# Allegro board 1103400-C000PC024-HI3521DV200-CORE-A01-pcb166.brd (continued)
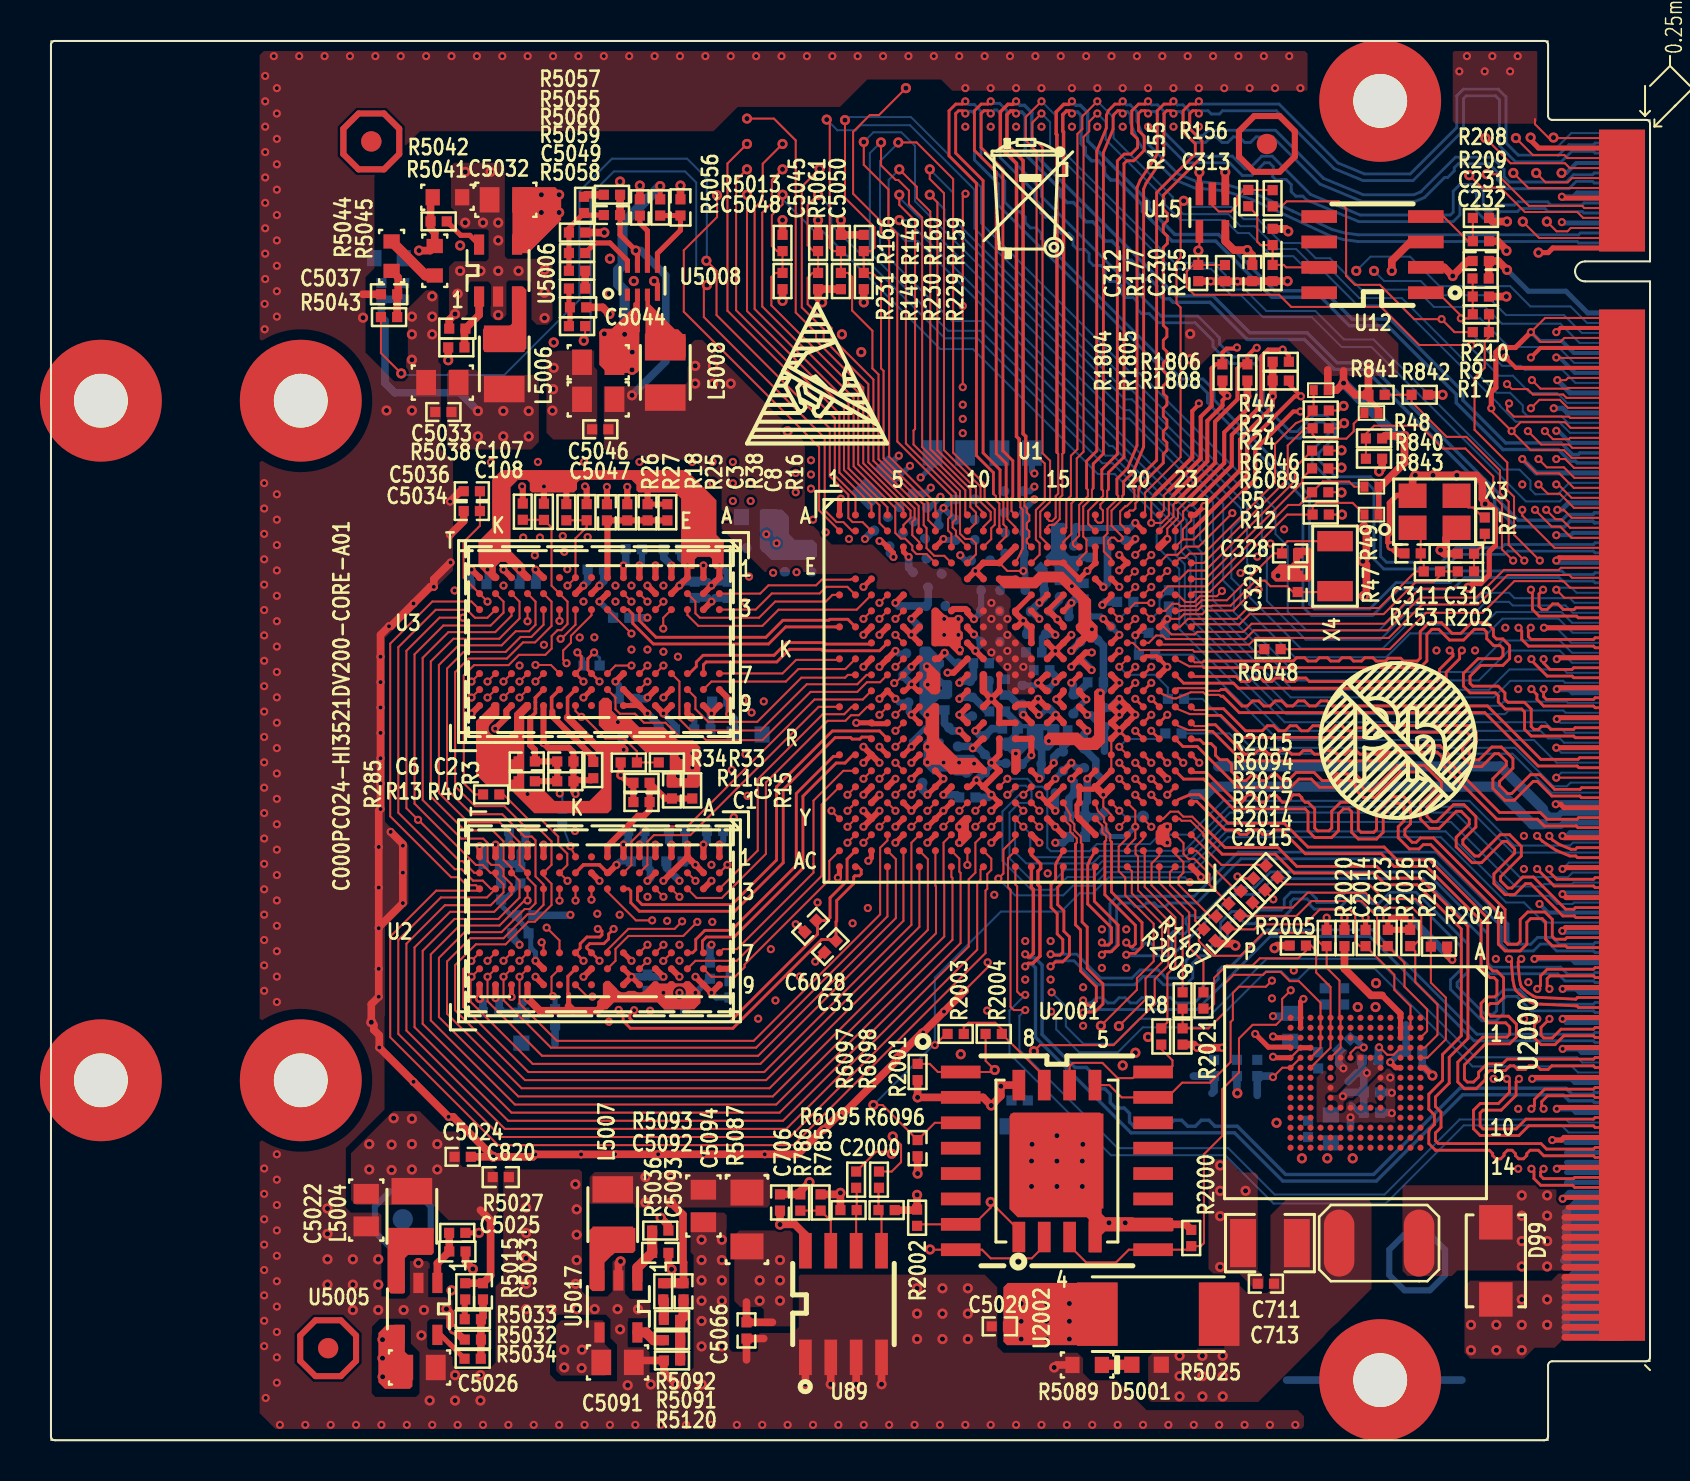
[diagram p0: board, top side]
## Nets (continued)
I2S0_BCLK: R6046.1(A) U1.E22(I2S0_BCLK/GPIO4_0)
I2S0_BCLK_R: R6046.2(B) U102.62
I2S0_MCLK: R6089.1(A) U1.E23(I2S0_MCLK/GPIO4_2)
I2S0_MCLK_R: R6089.2(B) U102.64
I2S0_SD_RX: U1.E21(I2S0_SD_RX/GPIO4_4) U102.70
I2S0_SD_TX: U1.F20(I2S0_SD_TX/GPIO4_3) U102.68
I2S0_WS: U1.D21(I2S0_WS/GPIO4_1) U102.72
I2S1_BCLK: R6048.1(A) U1.J19(I2S1_BCLK/GPIO5_1)
I2S1_BCLK_R: R6048.2(B) U102.80
I2S1_SD_RX: U1.J20(I2S1_SD_RX/GPIO5_3) U102.76
I2S1_WS: U1.J21(I2S1_WS/GPIO5_2) U102.78
IR_IN/SPI1_SCK: U1.AA12(IR_IN/GPIO12_3/SPI1_SCK) U102.147
JTAG_TCK/SPI1_MOSI: U1.V13(JTAG_TCK/GPIO12_5) U102.143
JTAG_TDI/UART2_RXD: U1.Y12(JTAG_TDI/GPIO13_0) U102.133
JTAG_TDO_R/UART2_TXD: U1.V11(JTAG_TDO/GPIO12_7) U102.131
JTAG_TMS/SPI1_MISO: U1.W12(JTAG_TMS/GPIO12_6) U102.137
JTAG_TRSTN/SPI1_CSN: U1.V12(JTAG_TRSTN/GPIO12_4) U102.139
LAN_LED_ACT: U1.B10(LAN_LED_ACT/GPIO2_6) U102.87
LAN_LED_LINK: U1.A10(LAN_LED_LINK/GPIO2_5) U102.89
MDI_AN: U1.C11(MDI_AN) U102.79
MDI_AP: U1.B11(MDI_AP) U102.77
MDI_BN: U1.A12(MDI_BN) U102.73
MDI_BP: U1.B12(MDI_BP) U102.71
MIPI_RX0_CKN/VI0_DATA5: U1.L23(MIPI_RX0_CKN/VI0_DATA5) U102.84
MIPI_RX0_CKP/VI0_DATA6: U1.L22(MIPI_RX0_CKP/VI0_DATA6) U102.86
MIPI_RX0_D0N/VI0_DATA1: U1.M19(MIPI_RX0_D0N/VI0_DATA1) U102.90
MIPI_RX0_D0P/VI0_DATA2: U1.M20(MIPI_RX0_D0P/VI0_DATA2) U102.92
MIPI_RX0_D1N/VI0_CLK: U1.L19(MIPI_RX0_D1N/VI0_CLK) U102.96
MIPI_RX0_D1P/VI0_DATA0: U1.L20(MIPI_RX0_D1P/VI0_DATA0) U102.98
MIPI_RX0_D2N/VI0_DATA7: U1.N20(MIPI_RX0_D2N/VI0_DATA7) U102.102
MIPI_RX0_D2P/VI0_CLK: U1.N21(MIPI_RX0_D2P/VI0_CLK) U102.104
MIPI_RX0_D3N/VI0_DATA3: U1.K23(MIPI_RX0_D3N/VI0_DATA3) U102.108
MIPI_RX0_D3P/VI0_DATA4: U1.K22(MIPI_RX0_D3P/VI0_DATA4) U102.110
MIPI_RX1_CKN/VI1_DATA6: U1.N23(MIPI_RX1_CKN/VI1_DATA6) U102.120
MIPI_RX1_CKP/VI1_DATA5: U1.N22(MIPI_RX1_CKP/VI1_DATA5) U102.122
MIPI_RX1_D0N/VI1_DATA2: U1.P23(MIPI_RX1_D0N/VI1_DATA2) U102.126
MIPI_RX1_D0P/VI1_DATA1: U1.P22(MIPI_RX1_D0P/VI1_DATA1) U102.128
MIPI_RX1_D1N/VI1_DATA0: U1.P20(MIPI_RX1_D1N/VI1_DATA0) U102.132
MIPI_RX1_D1P/VI1_CLK: U1.P21(MIPI_RX1_D1P/VI1_CLK) U102.134
MIPI_RX1_D2N/VI1_CLK: U1.R21(MIPI_RX1_D2N/VI1_CLK) U102.138
MIPI_RX1_D2P/VI1_DATA7: U1.R20(MIPI_RX1_D2P/VI1_DATA7) U102.140
MIPI_RX1_D3N/VI1_DATA4: U1.M21(MIPI_RX1_D3N/VI1_DATA4) U102.116
MIPI_RX1_D3P/VI1_DATA3: U1.M22(MIPI_RX1_D3P/VI1_DATA3) U102.114
MIPI_RX2_CKN/VI2_DATA5: U1.T23(MIPI_RX2_CKN/VI2_DATA5) U102.156
MIPI_RX2_CKP/VI2_DATA6: U1.T22(MIPI_RX2_CKP/VI2_DATA6) U102.158
MIPI_RX2_D0N/VI2_DATA1: U1.U19(MIPI_RX2_D0N/VI2_DATA1) U102.162
MIPI_RX2_D0P/VI2_DATA2: U1.U20(MIPI_RX2_D0P/VI2_DATA2) U102.164
MIPI_RX2_D1N/VI2_CLK: U1.T21(MIPI_RX2_D1N/VI2_CLK) U102.168
MIPI_RX2_D1P/VI2_DATA0: U1.T20(MIPI_RX2_D1P/VI2_DATA0) U102.170
MIPI_RX3_CKN/VI3_DATA4: U1.W22(MIPI_RX3_CKN/VI3_DATA4) U102.174
MIPI_RX3_CKP/VI3_DATA3: U1.W23(MIPI_RX3_CKP/VI3_DATA3) U102.176
MIPI_RX3_D0N/VI3_DATA6: U1.W20(MIPI_RX3_D0N/VI3_DATA6) U102.180
MIPI_RX3_D0P/VI3_DATA5: U1.W21(MIPI_RX3_D0P/VI3_DATA5) U102.182
MIPI_RX3_D1N/VI3_DATA2: U1.V21(MIPI_RX3_D1N/VI3_DATA2) U102.186
MIPI_RX3_D1P/VI3_DATA1: U1.V22(MIPI_RX3_D1P/VI3_DATA1) U102.188
POR_ENABLE: R841.2(B) R842.1(A) U1.G19(POR_ENABLE)
RTC_XIN: C329.1(A) U1.G22(RTC_XIN) X4.1
RTC_XOUT: C328.1(A) U1.G21(RTC_XOUT) X4.2
SATA_LED_N0: R6097.2 U1.Y13(SATA_LED_N0/GPIO11_7) U102.175
SATA_LED_N1: R6098.2 U1.W13(SATA_LED_N1/GPIO12_0) U102.177
SATA_RXM0: U1.AC17(SATA_RXM0) U102.153
SATA_RXM1: U1.AC15(SATA_RXM1) U102.165
SATA_RXP0: U1.AB17(SATA_RXP0) U102.151
SATA_RXP1: U1.AB15(SATA_RXP1) U102.163
SATA_TXM0: U1.Y17(SATA_TXM0) U102.157
SATA_TXM1: U1.Y15(SATA_TXM1) U102.169
SATA_TXP0: U1.W17(SATA_TXP0) U102.159
SATA_TXP1: U1.W15(SATA_TXP1) U102.171
SFC_CLK: R8.1(A) U1.AB20(SFC_CLK/GPIO11_5)
SFC_CLK_R: R8.2(B) U2001.16(C) U2002.6(SCK)
SFC_CS0N: R2002.2(B) U1.AC19(SFC_CS0N/EMMC_DS) U2001.7(S\) U2002.1(CS)
SFC_CS1N/GPIO11_6: TP1.1 U1.W18(SFC_CS1N/GPIO11_6)
SFC_HOLD_IO3: R2001.2(B) R2004.2(B) U1.AA20(SFC_HOLD_IO3/EMMC_DATA5) U2001.1(HOLD/\D\Q\3\)
SFC_MISO_IO1: U1.AA19(SFC_MISO_IO1/EMMC_DATA6) U2001.8(DQ1) U2002.2(SO)
SFC_MOSI_IO0: U1.Y20(SFC_MOSI_IO0/EMMC_DATA7) U2001.15(DQ0) U2002.5(SI)
SFC_WP_IO2: R2000.1(A) R6094.2(B) U2001.9(W/\V\P\P\/\D\Q\2\) U2002.3(W\P\)
SVB_PWM_CORE: R5058.1(A) U1.B2(SVB_PWM_CORE/GPIO1_5)
SVB_PWM_CPU: R5043.1(A) U1.B3(SVB_PWM_CPU/GPIO1_6)
SYS_RSTN: C312.1(A) C2000.1(A) C6008.1(A) R177.1(A) R2003.2(B) U1.G20(RSTN) U15.4(Y) U102.43 U2001.3(DNU1)
SYS_RSTN_OUT: R17.2(B) R156.1(A) U102.39
SYS_RSTN_OUT/WDG_RSTN: R9.1(A) R17.1(A) U1.F19(SYS_RSTN_OUT/WDG_RSTN)
TEST_MODE: R840.2(B) R843.1(A) U1.H19(TEST_MODE)
UART0_RXD: U1.A9(UART0_RXD/GPIO1_7) U102.105
UART0_TXD: U1.C10(UART0_TXD/GPIO2_0) U102.103
UART1_CTSN: U1.B9(UART1_CTSN/GPIO2_4) U102.99
UART1_RTSN: U1.C9(UART1_RTSN/GPIO2_3) U102.97
UART1_RXD: U1.D9(UART1_RXD/GPIO2_1) U102.95
UART1_TXD: U1.C8(UART1_TXD/GPIO2_2) U102.93
USB2_0_DM: U1.C13(USB2_0_DM) U102.67
USB2_0_DP: U1.D12(USB2_0_DP) U102.65
USB2_0_OVRCUR: U1.C14(USB2_0_OVRCUR/GPIO3_0) U102.61
USB2_0_PWREN: U1.D13(USB2_0_PWREN/GPIO2_7) U102.59
USB2_1_DM: U1.AB13(USB2_1_DM) U102.183
USB2_1_DP: U1.AC13(USB2_1_DP) U102.181
USB2_1_OVRCUR: U1.AB12(USB2_1_OVRCUR/GPIO12_2) U102.187
USB2_1_PWREN: U1.AC12(USB2_1_PWREN/GPIO12_1) U102.189
USB2_2_DM: U1.B14(USB2_2_DM) U102.55
USB2_2_DP: U1.A14(USB2_2_DP) U102.53
USB2_2_OVRCUR: U1.B15(USB2_2_OVRCUR/GPIO3_2) U102.47
USB2_2_PWREN: U1.C15(USB2_2_PWREN/GPIO3_1) U102.49
VDAC_REXT: R834.1(A) U1.G18(VDAC_REXT)
VGA_B: R1806.1(A) U1.B22(VGA_B) U102.36
VGA_G: R1805.1(A) U1.B21(VGA_G) U102.32
VGA_HS: U1.E20(VGA_HS/GPIO3_6) U102.42
VGA_R: R1804.1(A) U1.A21(VGA_R) U102.28
VGA_VS: U1.E19(VGA_VS/GPIO3_7) U102.40
VI2_CLK: U1.U22(VI2_CLK) U102.152
VI2_DATA3: U1.R23(VI2_DATA3) U102.144
VI2_DATA4: U1.R22(VI2_DATA4) U102.146
VI2_DATA7: U1.U23(VI2_DATA7) U102.150
VI3_CLK: U1.V20(VI3_CLK) U102.198
VI3_DATA0: U1.V19(VI3_DATA0) U102.200
VI3_DATA7: U1.Y21(VI3_DATA7) U102.192
VI_AD_REFCLK0/MIPIRX_CMOS_MODE_: R6049.1(A) U102.119
VI_AD_REFCLK1/MIPIRX_CMOS_MODE_: R6050.2(B) U102.121
WDG_RSTN_RST: C232.1(A) R9.2(B) R210.2(B) U12.1(M\R\) U102.35
XIN: C311.1(A) R153.1(A) U1.H22(XIN) X3.1
XOUT: R153.2(B) R202.1(A) U1.H23(XOUT)
$4N7983: R3.2(B) U3.L8(ZQ)
$4N7984: R4.2(B) U2.L8(ZQ)
$17N809: R2019.1(A) U2000.H5(RCLK/DS)
$22N821: R2003.1(A) R2004.1(A) U2002.7(H\O\L\D\)
$32N1479: D5001.2(B) R5089.1(A)
$37N240: R24.2(B) R48.2(B) U1.D23(I2C0_SDA/GPIO4_5)
$37N244: R5.2(B) R49.2(B) U1.F21(I2C1_SDA/GPIO4_7)
$37N699: R23.2(B) R44.2(B) U1.D22(I2C0_SCL/GPIO4_6)
$37N701: R12.2(B) R47.2(B) U1.F23(I2C1_SCL/GPIO5_0)
N04474: R6050.1(A) U1.T19(VI_AD_REFCLK1/TEST_CLK)
N04522: R6049.2(B) U1.K19(VI_AD_REFCLK0/GPIO5_4)
N15763: R155.2(B) R156.2(B) U15.2(A)
N15773: R208.1(A) R209.2(B) U12.4(PFI)
N15781: C313.1(A) R155.1(A) R255.1(A) U12.7(R\E\S\E\T\)
N17800: R7.1(A) X3.3
N17808: C310.1(A) R7.2(B) R202.2(B)
N17822: R1407.1(A) U1.AC21(EMMC_CLK/GPIO10_7)
N17826: C885.1(A) R6090.2(B) R6091.2(B) U1.U17(DVDD3318_EMMC)
N17840: R6094.1(A) U1.Y19(SFC_WP_IO2/EMMC_DATA4)
N27087: C5045.1(A) U5008.6(SS)
N27133: L5008.1(A) U5008.3(SW)
N27137: C5049.1(A) R5058.2(B) R5059.1(A)
N27145: R5059.2(B) R5060.1(A)
N27149: C5048.2(B) R5055.2(B) R5056.2(B) R5057.1(A) R5060.2(B)
N27165: C5037.1(A) R5043.2(B) R5044.1(A)
N27173: R5055.1(A) U5008.8(FB)
N27181: C5050.1(A) R5061.2(B) U5008.5(EN)
N27189: R5041.1(A) U5006.5(FB)
N27197: R5013.2(B) R5056.1(A)
N27201: R5014.2(B) R5039.1(A)
N27205: C5033.1(A) R5038.2(B) U5006.1(EN)
N27213: R5044.2(B) R5045.1(A)
N27217: L5006.1(A) U5006.3(SW)
N27221: C5035.2(B) R5039.2(B) R5041.2(B) R5042.1(A) R5045.2(B)
N28749: R5015.2(B) R5033.1(A)
N28833: C5023.2(B) R5032.1(A) R5033.2(B) R5034.2(B)
N28845: L5004.1(A) U5005.3(SW)
N28849: C5025.1(A) R5027.2(B) U5005.1(EN)
N28857: R5034.1(A) U5005.5(FB)
N753510: R5091.1(A) U5017.5(FB)
N753524: C5092.1(A) R5093.2(B) U5017.1(EN)
N753538: L5007.1(A) U5017.3(SW)
N753544: C5093.2(B) R5091.2(B) R5092.2(B) R5120.1(A)
N753566: R5036.2(B) R5092.1(A)
N9508935: R785.2 R786.1 U89.7(WP)

Pads without a net: NOREF#4 1; NOREF#9 1; NOREF#15 1; NOREF#17 1; NOREF#18 1; NOREF#19 1; U2 J1 J9 L1 L9; U3 J1 J9 L1 L9; U12 5 6 8; U2000 A1 A2 A7 A8 A9 A10 A11 A12 A13 A14 B3 B4 B5 B6 B7 B8 B9 B10 B11 B12 B13 B14 C5 C7 C8 C9 C10 C11 C12 C13 C14 D1 D2 D3 D4 D12 D13 D14 E1 E2 E3 E5 E8 E9 E10 E12 E13 E14 F1 F2 F3 F10 F12 F13 F14 G1 G2 G3 G10 G12 G13 G14 H1 H2 H3 H12 H13 H14 J12 J13 J14 K6 K7 K10 K12 K13 K14 L12 L13 L14 M1 M2 M3 M7 M8 M9 M10 M11 M12 M13 M14 N3 N6 N7 N8 N9 N10 N11 N12 N13 N14 P1 P2 P7 P8 P9 P10 P11 P12 P13 P14; U2001 4 5 6 11 12 13 14; U5008 1

## Via types
v1: diameter 0.406, hole 0.203, TOP to BOTTOM, 900 vias
v2: diameter 0.508, hole 0.254, TOP to BOTTOM, 330 vias
v3: diameter 0.457, hole 0.203, TOP to BOTTOM, 5 vias

## Routing (per net, layer and track width the routed paths; a pad name or vN(x,y) marks a point on that pad's centre or on a via; arc(x,y) is an arc through that point)
1V8: length 7.3
  TOP w0.381: v2(31.01,11.9) 31.62,11.29 31.62,8.93 31.65,8.9 C5093.1
  TOP w0.508: R5036.1 C5093.1
  BOTTOM w0.381: 58.08,17.36 58.19,17.47 R6093.1 57.15,18.22
  vias: v2(29.74,13.17) v2(29.74,11.9) v2(31.01,13.17) v2(53.62,18.75) v2(54.25,19.39) v2(54.89,20.18)
1V8_SOC: length 34.3
  TOP w0.381: 36.09,5.9 C5066.1 34.8,6.92
  ART03 w0.508: v2(36.47,9.02) 41.62,9.02 46.2,13.6 46.2,14.84 51.05,19.69 51.05,25.84 49.17,27.72 49.17,28.58 50.25,29.66 v1(50.25,29.89)
  BOTTOM w0.381: R6091.1 50.64,29.89 v1(50.25,29.89)
  vias: v2(35.46,8) v2(35.46,6.98) v2(36.47,8) v2(36.47,6.98)
3V3: length 38
  TOP w0.254: R5061.1 v2(30.48,62.75) ; R5027.1 v2(21.41,10.38)
  TOP w0.381: U12.2 69.7,58.68 v2(70.13,58.25) 70.88,59 C231.1 ; R209.1 72.38,59.99 72.82,59.55 v2(72.82,59.51) ; R5038.1 v2(19.87,54.03) ; C230.1 60.1,59.29 v2(59.85,59.55) 59.18,59.55 58.75,59.97 U15.5 ; R210.1 v2(72.81,57.22) ; v2(43.33,12.28) R2002.1 43.31,11.52 R6096.1 ; R785.1 39.42,12.3 v2(39.5,12.38) R6095.1 ; v2(30.5,11.13) 30.89,10.75 R5093.1 ; U89.8 37.74,10.27 37.21,10.8 36.49,10.8 v2(36.47,10.79) C706.2 ; R2001.1 v2(43.36,17.15) U2001.2 46.63,17.15 v2(47.04,16.75) 47.52,17.23 v2(47.52,17.71) 47.58,17.77 U2002.8
  BOTTOM w0.254: 65.05,16.8 65.46,16.39 C2006.1
  BOTTOM w0.381: v1(64.63,17.21) 64.83,17.41 C2007.1 ; C2007.1 65.68,18.23 v1(65.83,18.38) ; C2007.1 C2006.1 ; v1(65.83,18.38) 65.33,18.38 64.9,17.94 ; v1(65.83,18.38) 65.59,18.61 C2004.1
  BOTTOM w0.508: v2(28.7,55.33) 28.7,57.51 28.37,57.84 28.37,58.56 28.6,58.78 28.6,60.87 v2(30.48,62.75)
  vias: v2(16.59,5.04) v2(16.59,4.11) v2(16.6,3.18) v2(24.54,62.32) v2(24.54,61.43) v2(25.42,62.32) v2(25.42,61.43) v2(25.68,4.53) v2(25.68,3.64) v2(26.57,4.53) v2(26.55,3.61) v2(27.69,55.36) v2(29.08,54.44) v2(29.07,53.55) v2(56.46,4.23) v2(56.46,3.21) v2(56.46,2.19) v2(57.61,4.23) v2(57.61,3.21) v2(57.61,2.19) v2(58.62,4.23) v2(58.62,3.21) v2(58.62,2.19)
3V3_SOC: length 33.4
  TOP w0.254: v1(49.45,33.1) 49.05,33.49 U1.U13 ; U1.J16 51.45,39.89 v1(51.05,39.49) ; R47.1 R49.1 ; R48.1 66.37,51.44 66.37,51.65 65.91,52.1 R841.1 ; v1(51.05,33.09) 51.45,33.49 U1.U16 ; v1(52.51,37.37) 52.58,37.44
  TOP w0.381: U1.J16 52.08,40.53 v1(52.08,40.57) ; R840.1 66.73,50.25 v2(67.72,50.25) 67.72,48.9 66.52,47.71 R49.1 ; v2(64.67,52.89) 64.31,52.54 R44.1 63.88,53.55 ; v2(64.67,52.89) 64.67,53.5 ; v2(64.67,52.89) 65.25,52.31 R841.1 65.91,53.65 ; R229.1 v2(40.66,56.93) ; v2(36.6,57.01) R231.1 ; R230.1 R148.1 38.38,57.13 v2(38.58,56.93)
  BOTTOM w0.305: LB804.1 50.08,35.14 v1(49.92,34.98)
  BOTTOM w0.356: LB814.1 48.39,35.83 47.75,36.47 LB820.1
  BOTTOM w0.381: v1(52.08,40.57) 52.08,40.36 52.37,40.07 C825.1 52.66,39.75 LB816.1 52.66,37.52 v1(52.51,37.37) ; C823.1 51.55,44.17 LB802.1 ; 49.56,34.62 49.56,33.85 C807.1 49.54,33.18 v1(49.45,33.1) ; v1(51.08,42.73) 51.22,42.87 LB824.1 ; R6090.1 50.93,32.1 C801.1 51.19,32.95 v1(51.05,33.09) ; C803.1 51.51,39.95 v1(51.05,39.49)
  BOTTOM w0.508: v2(67.72,50.25) 67.31,50.25 v2(64.67,52.89)
  vias: v1(48.27,34.36) v2(48.54,6.84) v2(48.54,5.95) v2(48.54,5.06) v2(49.81,6.84) v2(49.81,5.95) v2(49.81,5.06) v2(50.95,6.84) v2(50.95,5.95) v2(50.95,5.06) v2(57,55.36) v2(57,54.09)
AVDD09_HDMITX: length 2.1
  TOP w0.254: v1(50.25,40.29) 49.85,40.69 U1.H14
  BOTTOM w0.305: LB809.2 49.57,40.15 C814.1
  BOTTOM w0.381: C814.1 50.2,40.34 v1(50.25,40.29)
AVDD09_PLL: length 1.8
  TOP w0.305: U1.L15 50.6,38.29 v1(50.25,37.95)
  BOTTOM w0.305: C882.1 v1(50.25,37.95)
  BOTTOM w0.356: LB815.2 50.25,38.24 v1(50.25,37.95)
AVDD09_PLL_EPHY: length 2.1
  TOP w0.254: U1.L9 v1(45.45,37.89)
  BOTTOM w0.381: LB807.2 46.15,38.15 C800.1 45.54,37.99 v1(45.45,37.89)
AVDD09_SATA0: length 2.2
  TOP w0.305: U1.P13 v1(48.65,36.29)
  BOTTOM w0.381: v1(48.65,36.29) 48.6,36.34 C808.1 48.37,36.83 47.91,37.29 LB823.2
AVDD33_DDRPLL: length 2.2
  TOP w0.305: U1.P10 v1(46.25,35.49)
  BOTTOM w0.381: LB814.2 47.08,35.61 C881.1 46.49,35.25 v1(46.25,35.49)
AVDD33_HDMITX: length 2
  TOP w0.254: U1.G15 v1(51.05,41.89)
  BOTTOM w0.381: C811.1 50.94,41.78 v1(51.05,41.89) 51.24,42.08 LB824.2
AVDD33_MDI_USB2_2: length 4.2
  TOP w0.254: U1.G13 49.05,41.49 v1(49.45,41.09) ; U1.F14 49.85,42.29 v1(49.45,41.89)
  BOTTOM w0.381: v1(49.45,41.09) 49.07,41.47 C6016.1 49.43,41.89 v1(49.45,41.89) 49.69,42.13 C806.1 49.69,43.45 R802.1
AVDD33_PLL: length 2.2
  TOP w0.254: v1(51.05,37.89) 51.45,38.29 U1.L16
  BOTTOM w0.381: LB816.2 51.87,37.88 51.28,37.29 C883.1 51.15,37.79 v1(51.05,37.89)
AVDD33_PLL_EPHY: length 2.4
  TOP w0.254: U1.M9 v1(45.45,37.09)
  BOTTOM w0.381: LB820.2 46.85,36.47 46.14,37.18 C887.1 45.53,37.18 v1(45.45,37.09)
AVDD33_SATA0: length 2.6
  TOP w0.254: U1.U14 49.85,33.52 50.17,33.84 v1(50.17,33.89)
  BOTTOM w0.381: v1(50.17,33.89) 50.17,34.18 50.42,34.44 C809.1 50.63,34.69 50.87,34.93 LB804.2
AVDD33_VDAC: length 3.8
  TOP w0.254: U1.E17 v1(52.66,42.69)
  BOTTOM w0.381: LB802.2 52.08,45.02 C804.1 52.86,44.95 52.86,42.89 v1(52.66,42.69)
AVDD_BAT: length 2.3
  TOP w0.254: v1(54.25,40.28) 54.65,40.67 U1.H20
  BOTTOM w0.102: R2.1 54.25,39.48 v1(54.25,40.28) 54.37,40.39 C23.1
AVDDIO3318_MIPIRX0: length 24.2
  TOP w0.305: U1.N16 v1(51.85,36.29)
  BOTTOM w0.305: 74.65,31.58 74.98,31.25 75.41,31.25 75.56,31.4 U102.125
  BOTTOM w0.381: v1(51.85,36.29) 52.03,36.29 52.62,35.71 C884.1 52.7,34.48
  BOTTOM w0.508: 74.65,31.58 72.52,33.71 58.39,33.71
AVDDIO3318_MIPIRX1: length 25.9
  TOP w0.305: U1.P16 v1(51.85,35.49)
  BOTTOM w0.305: U102.127 75.7,30.9 75.54,30.74 74.73,30.74 74.65,30.82
  BOTTOM w0.381: 52.55,33.11 52.27,33.38 52.27,34.01 C802.1 51.69,35.33 v1(51.85,35.49)
  BOTTOM w0.508: 74.65,30.82 74.12,30.82 72.24,32.7 58.17,32.7 57.78,32.32 57.15,32.32
DVDD_CORE: length 12.7
  TOP w0.254: C5048.1 28.47,60.31 v2(29.26,59.52) 29.34,59.44 U5008.7
  TOP w0.381: C5048.1 R5013.1
  BOTTOM w0.381: v2(29.26,59.52) 29.51,59.52 30.76,58.28 30.76,53.97 v2(29.07,52.28)
  vias: v1(45.62,51.81) v1(45.62,51.1) v1(45.62,50.39) v1(47.05,41.89) v1(47.05,41.09) v1(47.05,39.42) v1(47.85,41.09) v1(47.85,40.29) v1(47.85,39.49) v1(47.85,38.69) v1(48.65,38.69) v2(32.23,53.76) v2(32.23,52.87) v2(33.12,53.76) v2(33.12,52.87) v2(34.01,52.87)
DVDD_CPU: length 10.6
  BOTTOM w0.381: v2(21.36,51.49) 20.45,52.41 17.2,52.41 16.71,52.89 16.71,56.02 16.53,56.19 R5014.1 C5035.1
  vias: v1(38.02,49.03) v1(38.02,48.32) v1(38.02,47.61) v1(44.69,41.09) v1(44.69,40.29) v1(45.4,41.09) v1(45.4,40.29) v1(45.47,39.54) v2(21.36,50.22) v2(22.63,51.49) v2(22.63,50.22) v2(23.9,51.49) v2(23.9,50.22)
GND: length 966.5
  TOP w0.102: U1.AB19 53.85,29.7 54.25,30.1 v1(54.25,30.69) 54.25,31.49 U1.W19 ; 55.24,47.31 55.05,47.12 v1(55.05,45.89) 55.55,45.89 55.93,46.27 55.93,47.06 56.16,47.29 ; U102.38 75.9,53.15 75.79,53.04 v1(75.36,53.04) ; v1(75.31,54.17) 75.33,54.15 U102.34 ; v1(45.62,52.69) v1(45.62,56.75) 45.62,62.23 v1(45.75,62.37) ; v1(75.31,42.55) 75.71,42.15 U102.82 ; U1.Y18 53.05,31.29 52.65,31.69 v1(52.65,32.29) ; U102.66 76.08,46.15 75.68,46.55 v1(75.36,46.55) ; v2(70.92,42.66) 69.95,42.66 69.9,42.6 68.48,42.6 66.73,40.85 60.07,40.85 59.66,40.45 57.35,40.45 57.23,40.32 56.06,40.32 55.68,40.69 U1.H21 ; 56.62,45.07 56.62,45.58 57.05,46.01 U1.A23 ; 56.62,45.07 U1.C22 ; 56.62,45.07 57.17,45.07 59.59,47.48 59.66,47.48 ; v1(73.08,50.49) 72.06,51.5 v1(72.06,51.63) ; v1(73.08,50.49) 74.03,49.54 75.69,49.54 76.08,49.15 U102.54 ; v1(73.08,50.49) 73.52,50.94 75.74,50.94 76.03,50.65 U102.48 ; v1(60.41,42.57) 60.21,42.57 59.16,41.51 57.78,41.51 57.6,41.33 56.69,41.33 56.45,41.09 v1(55.85,41.09) ; U1.R18 U1.T18 U1.U18 ; U2000.C4 67.17,19.29 66.85,19.29 66.48,19.66 v1(66.45,19.66) ; U2.E8 30.24,23.59 ; U1.D11 47.85,43.49 v1(48.65,43.49) ; v1(73.61,49.09) 74.33,48.37 75.46,48.37 76.18,47.65 U102.60 ; v1(45.72,22.51) 46.86,23.66 v1(46.86,23.91) ; 56.89,47.08 56.38,46.58 56.38,46.15 55.85,45.62 v1(55.85,45.09) ; U102.30 75.71,55.15 75.51,54.95 74.53,54.95 v1(74.04,55.44) 74.75,56.15 U102.26 ; U1.F22 56.39,42.29 56.75,41.94 57.2,41.94 57.49,42.23 58.32,42.23 v1(58.58,42.49) ; U102.118 v1(75.31,33.15) ; v1(61.14,18.17) 61.61,18.64 U2000.P6 U2000.N5 ; U102.44 75.89,51.65 75.49,52.05 74.46,52.05 v1(74.04,51.63)
  TOP w0.142: U1.R19 v1(53.45,35.49)
  TOP w0.203: v1(62.51,51.47) 62.15,51.47 60.25,49.56 60.25,48.07 59.66,47.48 ; 55.24,47.31 57.1,49.17 57.1,51.49 57.43,51.83 v1(57.43,51.88) ; v1(59.85,52.23) 59.85,51.58 58.7,50.43 58.7,48.89 56.89,47.08 ; v1(57.7,46.75) 59.49,48.53 59.49,50.07 61.12,51.71 v1(61.12,52.23) ; v1(58.85,52.26) 58.61,52.02 58.61,51.76 57.85,51 57.85,48.98 56.16,47.29 ; U1.K20 54.78,39.23 55.32,39.23 U1.K21 v1(55.85,38.69)
  TOP w0.254: U102.154 74.29,24.15 v1(74.22,24.08) ; U1.C19 v1(54.25,45.09) ; v1(26.64,37.16) 27.04,37.56 U3.J8 ; v2(74.42,59.42) 74.9,59.42 75.13,59.65 U102.24 ; U1.A1 39.45,47.04 v1(39.52,47.11) ; U1.K18 v1(53.45,39.49) ; U1.W6 v1(43.05,31.49) U1.W5 ; U1.T4 41.45,34.69 v1(41.45,34.69) ; U1.V14 50.25,33.09 v1(50.25,33.09) ; U2.P9 v1(23.04,22.18) ; U15.3 v2(57.45,63.44) ; v1(29.84,27.99) 30.24,28.39 U2.E2 ; U1.W14 50.25,31.49 v1(50.25,31.49) ; U1.W14 v1(49.45,32.29) ; U1.W14 U1.V15 ; v1(75.29,31.82) 75.53,31.82 75.7,31.65 U102.124 ; U102.106 75.4,36.15 v1(75.34,36.08) ; U3.F9 U3.G9 ; v1(42.25,37.09) U1.M4 v1(41.45,37.09) ; U102.136 75.69,28.65 v1(75.62,28.58) ; U102.148 75.78,25.65 v1(75.62,25.49) ; U1.F13 49.05,42.29 U1.G12 ; v1(51.05,33.89) U1.U15 ; U1.AA7 v1(43.85,29.89) ; v1(75.59,62.21) 75.65,62.15 U102.14 ; v1(75.34,16.58) 75.4,16.65 U102.184 ; U1.E3 v1(40.65,42.69) ; v1(75.34,39.08) 75.4,39.15 U102.94 ; U1.U6 v1(43.05,33.09) ; 78.6,12.15 75.7,12.15 v1(75.63,12.08) ; U1.F15 U1.G14 ; U1.J18 v1(53.45,40.29) ; U102.4 74.42,64.65 74.03,65.05 v2(74.03,65.18) ; v2(69.11,18.25) 68.72,18.64 U2000.A6 ; U1.A23 57.25,46.29 v1(57.7,46.75) ; U1.AA11 v1(47.05,29.89) ; v1(43.05,34.69) U1.T5 ; v1(42.91,44.19) 42.65,44.45 U1.C5 ; U1.AB3 41.05,29.15 v1(40.89,28.99) ; U1.P4 41.8,35.85 41.09,35.85 U1.P3 v1(40.29,35.89) ; v1(37.26,25.82) 37.33,25.82 C6028.2 ; v1(75.11,15.02) 75.57,15.02 75.7,15.15 U102.190 ; v2(67.06,44.74) 66.88,44.91 66.88,45.27 66.95,45.35 66.95,46.9 67.33,47.28 68.1,47.28 X3.4 ; v1(60.25,20.33) 60.91,19.67 61.99,19.67 U2000.P4 ; v1(43.85,32.29) U1.V7 v1(44.65,33.09) 44.25,33.49 U1.U7 ; U1.M5 42.72,37.49 v1(43.05,37.82) 43.37,37.49 U1.M6 ; v1(75.62,27.32) 75.63,27.32 75.81,27.15 U102.142 ; v1(52.6,41.79) 53.05,42.24 U1.F18 ; U102.88 v1(74.69,40.65) ; v1(75.63,21.08) 75.7,21.15 U102.166 ; U102.160 75.7,22.65 v1(75.63,22.58) ; v1(40.65,33.89) U1.T3 ; U102.178 74.17,18.15 v1(74.11,18.08) ; v1(52.65,41.09) U1.H18 ; v1(42.15,44.19) 42.15,44.39 U1.C4 41.55,44.99 v1(41.45,44.99) ; U1.W8 v1(44.65,31.49) U1.Y7 v1(43.85,30.69) ; U1.L11 U1.M11 ; U102.130 75.71,30.15 v1(75.62,30.24) ; U1.C17 U1.D17 52.25,43.89 v1(51.85,43.49) U1.E16 50.65,43.89 U1.D15 U1.D14 ; U1.AA5 v1(42.25,29.89) ; U1.B20 v1(54.25,45.89) ; U2.F9 v1(29.04,23.19) 28.64,23.59 U2.G8 ; U102.196 75.4,13.65 v1(75.34,13.58) ; v1(74.04,55.44) 73.27,54.67 72.52,54.67 72.29,54.44 72.29,52.66 72.06,52.43 v1(72.06,51.63) ; v1(62.66,22.08) 62.52,21.94 U2000.N1 U2000.N2 ; v2(30.17,58) 30.34,57.83 U5008.4 ; U102.74 75.45,44.15 v1(75.31,44.01) ; v1(47.05,31.49) U1.W11 v1(47.05,32.29) U1.V10 46.64,32.69 v1(46.3,33.03) 45.97,32.69 U1.V9 ; U1.N6 v1(43.05,36.29) U1.P6 ; U102.100 75.4,37.65 v1(75.34,37.58) ; v2(70.92,42.66) 71.12,42.86 71.53,42.86 71.96,43.29 71.96,44.46 72.26,44.76 72.26,46.54 72.01,46.8 71.81,46.8 v2(71.75,46.85) ; v1(75.63,19.58) 75.7,19.65 U102.172 ; v1(39.37,28.15) 39.45,28.23 U1.AC1 ; U1.U18 U1.V17 52.13,32.57 51.57,32.57 U1.V16 U1.W16 51.33,31.78 51.33,31.21 U1.Y16 ; U1.H21 v1(55.85,41.09) ; U1.T6 v1(43.05,33.89) ; v1(53.45,44.29) U1.D19 53.82,43.89 v1(53.44,43.52) ; v1(30.64,37.16) 31.04,37.56 U3.D8 ; U102.112 v1(75.31,34.65) ; U1.Y5 v1(42.25,30.69) ; U1.E18 v1(53.45,42.69) ; C33.2 v1(38.24,23.95) ; U1.C7 v1(44.65,45.09)
  TOP w0.305: U1.H12 48.33,40.69 v1(48.64,41) ; U1.K15 v1(50.25,39.49) ; v1(50.25,39.49) U1.K14 ; v1(50.25,39.49) U1.J14 ; v1(50.25,39.49) 50.65,39.89 U1.J15 v1(51.05,40.29) ; U3.E1 30.24,43.77 v1(30.24,43.77) ; v1(30.24,29.8) 30.24,29.8 U2.E1 ; U3.M9 v1(24.64,34.88) 24.88,34.65 25.91,34.65 26.14,34.41 C2.2 26.14,33.02 ; v1(24.24,43.56) 24.64,43.16 U3.M1 ; U3.G8 28.64,37.56 29.04,37.16 29.04,37.16 U3.F9 29.44,36.76 v1(29.84,36.36) ; v1(46.12,34.62) 46.59,35.09 U1.R10 ; v1(48.64,41) 48.95,40.69 U1.H13 U1.J13 ; v1(48.64,41) 48.25,41.4 U1.G12 ; U1.N9 v1(45.45,36.29) U1.P9 ; R34.2 v3(28.5,33.28) 28.88,32.9 R11.2 C1.2 ; v1(27.44,42.76) 27.04,42.36 U3.J2 ; U1.Y3 v1(41.45,31.49) ; U1.Y3 v1(40.65,30.69) ; U1.Y3 40.65,31.49 v1(40.65,31.49) ; U1.L18 53.05,38.29 v1(53.45,37.89) U1.M18 ; U2.D8 31.04,23.59 v1(31.44,23.19) ; U1.E10 v1(46.25,43.49) ; v1(46.25,43.49) U1.D10 U1.D11 U1.C12 ; v1(46.25,43.49) U1.E9 ; v1(47.05,37.09) U1.N11 U1.P11 U1.P12 ; v1(47.05,37.09) U1.M11 ; v1(47.05,37.09) U1.N10 ; v1(47.05,37.09) 46.65,37.49 U1.M10 ; v3(21.44,22.1) 21.44,22.18 U2.T9 ; U3.A9 v1(33.04,36.36) 32.64,36.76 U3.B9 ; v1(52.07,39.41) 51.77,39.41 U1.K16 ; U1.R11 47.45,34.29 v1(47.05,33.89) U1.U11 U1.V10 ; v1(28.64,43.77) 28.64,43.77 U3.G1 ; U1.F5 v1(42.25,41.89) ; U2.M9 v1(24.24,23.19) ; 30.24,23.59 v1(30.64,23.19) ; U1.AC23 57.53,28.21 v1(57.53,28.18) ; U1.N13 48.93,36.81 48.37,36.81 U1.N12 ; U1.N13 49.05,36.67 v1(49.42,36.29) ; U1.N13 49.05,36.76 v1(49.38,37.09) 49.78,36.69 U1.N14 ; 26.14,33.02 R40.2 26.14,32.44 v1(26.24,32.34) ; 26.14,33.02 27.03,33.02 R3.1 ; U1.AA13 v1(49.45,29.89) ; U2.D1 31.04,29.8 v1(31.04,29.8) ; v1(49.05,34.27) 49.05,34.28 U1.R13 U1.R12 ; U1.K10 v1(46.25,39.49) U1.J9 ; v1(53.45,36.29) 53.45,36.29 U1.P18 53.05,35.89 v1(53.45,35.49) ; v1(53.45,36.29) U1.N19 ; v1(53.45,36.29) U1.N18 v1(53.45,37.09) U1.N19 ; U1.L21 v1(55.85,38.69) ; U1.H9 45.85,40.65 v1(46.18,40.32) ; U1.AA17 U1.Y16 ; v1(32.24,23.19) U2.B9 32.64,22.79 v1(33.04,22.39) U2.A9 ; R25.2 26.8,47.64 v1(26.72,47.72) ; U3.T1 21.44,43.16 v1(21.04,43.56) ; U1.Y14 v1(50.25,30.69) U1.AA15 ; U2.T1 v1(21.44,29.73) ; U1.K9 45.16,38.4 v1(44.86,38.4) ; v1(21.04,36.36) 21.04,36.36 U3.T9 ; U1.L6 43.45,38.22 v1(43.05,37.82) ; U2.J2 27.04,28.39 v1(27.44,27.99) ; U1.U21 55.45,33.49 v1(55.85,33.09) ; U1.K6 v1(43.05,38.69) ; v1(24.64,29.8) 24.64,29.8 U2.M1 ; v1(41.45,32.29) U1.W3 ; U3.D1 31.04,43.77 v1(31.04,43.77) ; v1(23.57,47.72) 23.6,47.69 R26.2 ; U1.R18 v1(53.45,35.49) ; v1(53.45,35.49) 53.85,35.89 U1.P19 v1(54.25,36.29) 53.85,36.69 U1.N19 ; U3.P9 22.78,36.5 22.78,36.16 v1(22.23,35.61) ; v1(41.45,33.89) U1.T3 40.65,34.69 v1(40.65,34.69) ; U1.R6 v1(43.05,34.69) ; v1(51.8,37.07) 51.45,37.42 U1.M16 ; U3.E2 v1(29.84,42.76) ; U1.G8 45.14,41.59 45.75,41.59 U1.G9 45.85,41.41 v1(46.18,41.08) ; U3.B3 v1(33.04,41.96) ; v1(22.64,43.56) 23.04,43.16 U3.P1 ; U3.B1 v1(32.64,43.77) ; U1.V4 v1(42.25,33.09) ; U1.P15 50.65,35.92 v1(50.27,36.29) 49.87,35.89 U1.P14 ; U1.J6 v1(43.05,40.29) ; v1(43.05,40.29) U1.H5 ; v1(43.05,40.29) U1.H6 ; U1.K7 44.4,39.09 v1(44.71,39.4) ; U1.H15 50.65,40.77 v1(50.35,41.07) 49.93,41.49 U1.G14 ; U1.K16 52.01,38.53 v1(52.06,38.53) ; U1.K16 51.05,38.69 v1(51.05,38.69) ; U1.H3 v1(40.65,40.29) ; v1(41.45,38.69) U1.K4 v1(42.25,39.49) ; v1(28.64,29.8) 28.64,29.8 U2.G1 ; C3.2 v1(27.82,47.7) ; U1.K3 v1(40.65,38.69) ; U1.N15 50.65,36.72 v1(50.3,37.07) 50.65,37.42 U1.M15 ; U1.M14 49.78,37.49 v1(49.38,37.89) 49.78,38.29 U1.L14 ; U2.P1 23.04,29.8 v1(23.04,29.8) ; U2.B1 v1(32.64,29.8) ; U3.E8 v1(29.84,37.16) ; U1.G6 v1(43.05,41.09) ; U2.G9 v1(29.04,23.19) ; U2.J8 v1(26.64,23.19) ; U1.V3 v1(40.65,32.29) ; R38.2 v1(28.83,47.7) ; U1.H4 v1(41.45,40.29) ; U2.B3 v1(33.04,27.99)
  TOP w0.343: 75.74,5.65 U102.228 ; 75.74,6.65 U102.224 ; 75.74,5.15 U102.230 ; 75.74,6.15 U102.226 ; 75.74,8.15 U102.218 ; 75.74,7.15 U102.222 ; 75.74,7.65 U102.220
  TOP w0.381: v1(19.99,43.92) 19.16,43.08 v1(19.16,42.7) 18.98,42.7 v1(18.14,41.86) 17,40.73 v1(16.92,40.73) 16.49,40.3 v1(16.49,39.2) v1(16.49,37.93) v1(16.49,36.66) v1(16.49,35.39) v1(16.49,34.12) v1(16.49,32.85) v1(16.49,31.58) 16.4,31.49 v1(16.4,29.68) v1(16.4,27.65) 16.4,25.67 ; C311.2 67.42,44.37 v2(67.06,44.74) ; v1(58.85,52.26) 58.61,52.5 R1804.2 ; 16.4,25.67 v1(17.61,26.88) v1(17.61,28.4) v1(17.61,29.75) 17.61,29.83 v1(17,30.44) ; 16.4,25.67 v1(16.4,25.62) v1(16.4,23.59) v1(16.4,22.19) 16.03,21.82 v2(16.03,20.91) 16.15,20.79 16.15,20.53 16.43,20.26 v1(16.43,19.65) v1(18.14,17.93) v1(19.89,16.18) 20.12,16.18 v2(22.12,14.18) ; C2000.2 v2(43.36,13.34) ; U1.V18 v1(52.65,32.29) U1.V17 ; v2(72.85,58.56) 72.4,59 C231.2 71.94,58.13 C232.2 ; v2(65.68,45.68) 65.81,45.55 65.81,44.15 v2(65.63,43.98) 65.81,43.8 65.81,42.36 v2(65.68,42.24) ; R843.2 66.6,48.62 v2(66.45,48.47) ; v2(22.12,14.18) C5024.2 ; v2(22.12,14.18) 24.12,14.18 v1(24.24,14.3) v1(26.52,14.3) 28.21,14.3 v1(28.22,14.31) v1(30.38,14.31) v1(32.66,14.31) v1(35.71,14.31) 37.36,14.31 v1(37.74,14.69) 38.61,15.55 v1(38.68,15.55) 39.34,16.21 v1(39.52,16.21) v1(41.05,17.74) 42.32,19.01 v1(42.32,19.14) 43.59,20.41 v1(43.64,20.41) v1(44.68,21.45) 45.72,22.49 v1(45.72,22.51) ; R2000.2 56.77,10.8 U2001.10 ; X3.4 68.12,48.14 v2(68.26,48.27) v2(69.14,48.27) v2(70.34,48.27) 71.31,48.27 71.62,47.97 71.62,47.1 71.75,46.96 v2(71.75,46.85) ; v1(59.85,52.23) R1805.2 ; v2(31.05,8.55) 30.89,8.71 C5092.2 ; U89.3 v2(40.28,2.8) ; R146.2 v2(38.38,61.05) ; C5049.2 27.6,56.68 v2(27.94,56.35) ; U12.3 68.02,59.95 67.08,59.01 v2(67.08,58.51) ; v2(21.11,8.57) 20.74,8.93 C5025.2 ; v1(19.97,46.97) 20.48,47.48 C107.2 ; C5037.2 15.6,57.34 ; C5045.2 v2(29.46,62.77) ; v2(59.26,24.75) 59.16,24.85 58.39,24.85 C2015.2 ; R159.2 R160.2 v2(39.52,61.05) ; C310.2 69.7,44.36 v2(69.52,44.54) 69.8,44.81 69.8,45.13 X3.2 ; v1(61.12,52.23) 61.12,52.24 R1808.2 R1806.2 ; R842.2 v2(69.62,52.31) ; v2(31.28,2.79) 30.66,3.41 R5120.2 29.26,3.99 C5091.2 ; v2(61.87,57.99) R255.2 C230.2 60.09,57.98 v1(59.36,57.98) 59.34,57.98 59.33,57.99 R177.2 58.73,57.98 v1(58.03,57.98) 58,57.98 57.99,57.99 C312.2 ; C706.1 R786.2 37.49,12.45 v2(37.95,12.91) ; C5050.2 v2(31.5,62.77) ; R5057.2 v2(27.69,60.42) ; R166.2 v2(36.6,61.05) ; 34.8,4.02 C5066.2 35.66,5.09 ; v2(72.84,60.97) 72.13,60.97 R208.2 ; v2(61.9,60.48) 61.77,60.61 C313.2 ; U89.1 v2(37.74,2.8) ; R5032.2 20.65,5.04 v2(20.14,5.55) 19.96,5.72 19.96,6.38 v2(19.79,6.56) ; R2005.2 61.34,24.75 v2(61.21,24.62) ; U1.L10 U1.M10 ; v2(20.22,56.35) 19.93,56.05 C5033.2 ; v2(28.5,8.95) 28.39,8.84 U5017.2 ; v1(19.97,45.3) 20.65,45.98 C108.2 ; U89.4 v2(41.55,2.8) ; U1.C21 v1(55.85,45.09) ; U89.2 v2(39.01,2.8) ; v2(58.75,63.45) 58.75,63.44 U15.1 ; R5089.2 50.32,3.77 v2(50.19,3.64) ; C2014.2 v1(64.71,26.15)